# Altium PCB PCB1.PcbDoc (part 2 of 5) (continued)
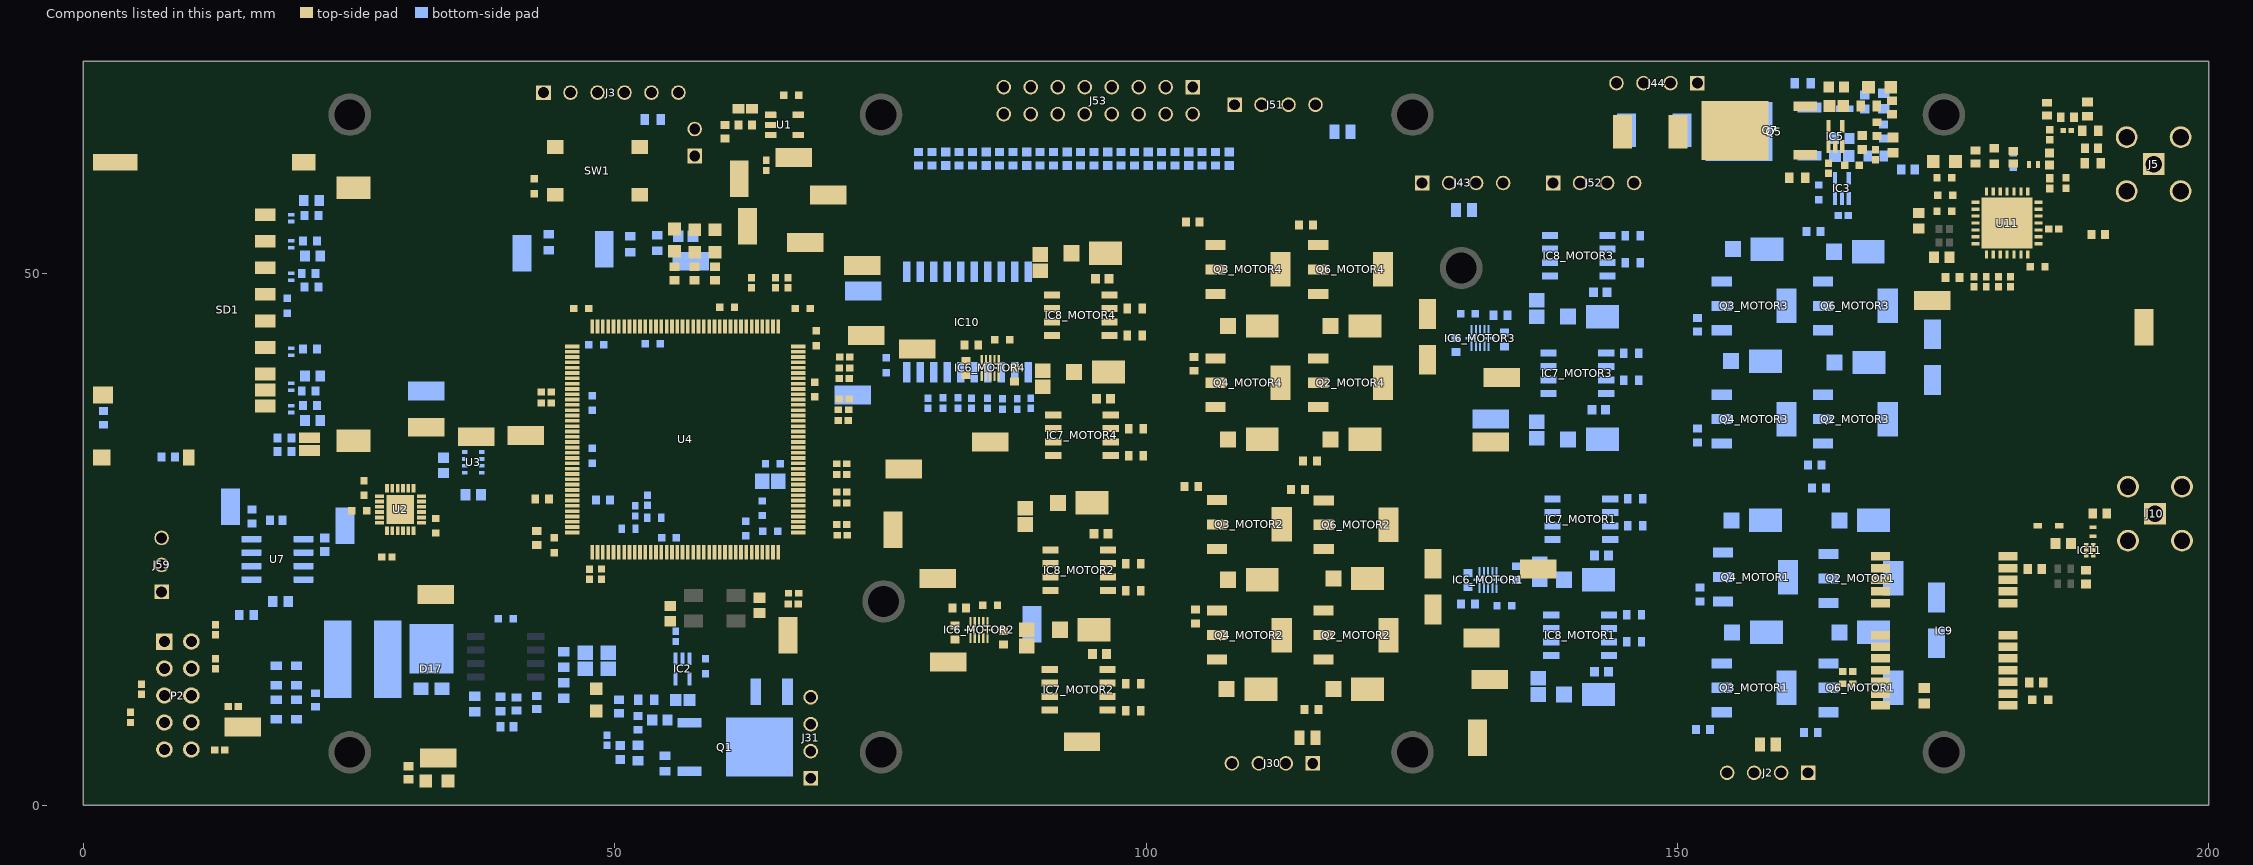
[diagram p6: the components of this part, seen from the top]
## Part data (continued)
J10: library part CMP-2000-05487-1, "SMA Right-Angle PCB Jack Receptacle, Brass Body, Gold Plated, 50 Ohm, 5-Pin THD, RoHS, Tray", Manufacturer=Molex, Package Description="5-Pin Through Hole Device, Body 14.8 x 6.35 mm, Pitch 2.54 mm", Datasheet URL=http://www.molex.com/webdocs/datasheets/pdf/en-us/0731000114_RF_COAX_CONNECTORS.pdf, Datasheet Version=09/2016, Manufacturer URL=http://www.molex.com/, Mounting Technology=ThroughHole, Package Reference=731000114, Package URL=http://www.molex.com/pdm_docs/sd/731000114_sd.pdf
L1: library part CMP-06042-014099-1, "Wire Wound RF Inductor 5.6nH ±0.2nH 800mA 0.051Ω 0402 (1005)", Case Code (Imperial)=0402, Case Code (Metric)=1005, Current Rating=800mA, DC Resistance (DCR)=51mR, Inductance=5.6nH, Max Operating Temperature=125°C, Min Operating Temperature=-55°C, Package Quantity=1, Resistor Type=Wirewound, Self Resonant Frequency=8GHz, Test Frequency=100MHz, Case/Package=0402, Core Material=Air, DC Current=800mA, Depth=0.7mm, Height=0.5mm, Lead Free="Lead Free", Length=1mm, Max DC Current=800mA, Military Standard=Not, Mount="Surface Mount", Number of Pins=2, Packaging="Tape and Reel", Q Factor=30, Radiation Hardening=No, REACH SVHC="No SVHC", Shielding=Unshielded, Termination=SMD/SMT, Weight=2.8E-05oz, Width=0.5mm
L2: library part SRR6038-3R3Y, "Inductor Power Shielded Wirewound 27uH 30% 100KHz 7.7Q-Factor Ferrite 1.2A 0.109Ohm DCR T/R", Case/Package=Nonstandard, Current Rating=1.2A, DC Resistance (DCR)=109mR, Frequency=12.5MHz, Inductance=27uH, Manufacturer=Bourns, Max Operating Temperature=125°C, Min Operating Temperature=-40°C, Package Quantity=1000, Resistance=109MR, Resistor Type=Wirewound, Saturation Current=1.3A, Supplier Part Number 1=652-SRR6038-270Y, Test Frequency=100kHz, Tolerance=30%, Category="Fixed Inductors", ComponentLink1Description=https://datasheet.ciiva.com/1056/srr6038-1056609.pdf?src-supplier=Digi-Key, ComponentLink1URL=https://datasheet.ciiva.com/1056/srr6038-1056609.pdf?src-supplier=Digi-Key, ComponentLink2Description=https://datasheet.ciiva.com/1056/srr6038-1056610.pdf?src-supplier=Digi-Key, ComponentLink2URL=https://datasheet.ciiva.com/1056/srr6038-1056610.pdf?src-supplier=Digi-Key, ComponentLink3Description=https://datasheet.ciiva.com/8513/srr6038-8513401.pdf?src-supplier=Avnet, ComponentLink3URL=https://datasheet.ciiva.com/8513/srr6038-8513401.pdf?src-supplier=Avnet, ComponentLink4Description=https://datasheet.ciiva.com/48684/srr6038-48684847.pdf?src-supplier=Avnet, ComponentLink4URL=https://datasheet.ciiva.com/48684/srr6038-48684847.pdf?src-supplier=Avnet, ComponentLink5Description=https://datasheet.ciiva.com/41452/001056692-da-01-en-mag-abge-l-ind-srr6038-270y-27uh-1-2a-41452091.pdf?src-supplier=Conrad, ComponentLink5URL=https://datasheet.ciiva.com/41452/001056692-da-01-en-mag-abge-l-ind-srr6038-270y-27uh-1-2a-41452091.pdf?src-supplier=Conrad, Core Material=Ferrite, DC Current=1.2A, Depth=7mm, Height=3.8mm, Height - Seated (Max)=0.157inch, Length=6.8mm, Manufacturer Part Number=SRR6038-270Y, Material=Steel, Max DC Current=1.2A, Military Standard=Not, Mount="Surface Mount", Packaging="Tape and Reel", Pricing 1="1=0,97000, 10=0,67700, 50=0,67700, 100=0,60700, 1000=0,38200, 10000=0,38200 (USD)", Q Factor=7.7, Radiation Hardening=No, RoHS=Yes, Self Resonant Frequency=12.5MHz, Shielding=Shielded, Stock 1=846, Supplier 1=Mouser, Termination=SMD/SMT, Width=6.8mm
L3: library part CMP-06042-007456-1, "Wire Wound RF Inductor 33nH ±5% 260mA 0.63Ω 0402 (1005)", Case Code (Imperial)=0402, Case Code (Metric)=1005, Current Rating=260mA, DC Resistance (DCR)=630mR, Inductance=33nH, Manufacturer=Murata, Max Operating Temperature=125°C, Min Operating Temperature=-55°C, Package Quantity=10000, Resistor Type=Wirewound, Self Resonant Frequency=3.2GHz, Supplier Part Number 1=81-LQW15AN33NJ00D, Test Frequency=100MHz, Tolerance=5%, Case/Package=0402, Category="Fixed Inductors", ComponentLink1Description=https://datasheet.ciiva.com/11799/0900766b8090d800-11799092.pdf?src-supplier=RSComponents, ComponentLink1URL=https://datasheet.ciiva.com/11799/0900766b8090d800-11799092.pdf?src-supplier=RSComponents, ComponentLink2Description=https://datasheet.ciiva.com/8510/l0075s0080lqw15a-00-8510437.pdf?src-supplier=Avnet, ComponentLink2URL=https://datasheet.ciiva.com/8510/l0075s0080lqw15a-00-8510437.pdf?src-supplier=Avnet, ComponentLink3Description=https://datasheet.ciiva.com/1042/l0075s0080lqw15a-00-1042187.pdf?src-supplier=Digi-Key, ComponentLink3URL=https://datasheet.ciiva.com/1042/l0075s0080lqw15a-00-1042187.pdf?src-supplier=Digi-Key, ComponentLink4Description=https://datasheet.ciiva.com/17278/l0075s0080lqw15a-00-17278475.pdf?src-supplier=Avnet+Europe, ComponentLink4URL=https://datasheet.ciiva.com/17278/l0075s0080lqw15a-00-17278475.pdf?src-supplier=Avnet+Europe, ComponentLink5Description=https://datasheet.ciiva.com/18089/getdatasheetpartid-153204-18089703.pdf?src-supplier=Verical, ComponentLink5URL=https://datasheet.ciiva.com/18089/getdatasheetpartid-153204-18089703.pdf?src-supplier=Verical, ComponentLink6Description=https://datasheet.ciiva.com/1042/l0075s0080lqw15a-00-1042186.pdf?src-supplier=Digi-Key, ComponentLink6URL=https://datasheet.ciiva.com/1042/l0075s0080lqw15a-00-1042186.pdf?src-supplier=Digi-Key, ComponentLink7Description=https://datasheet.ciiva.com/16455/l0075s0080lqw15a-00-16455914.pdf?src-supplier=Future+Electronics, ComponentLink7URL=https://datasheet.ciiva.com/16455/l0075s0080lqw15a-00-16455914.pdf?src-supplier=Future+Electronics, ComponentLink8Description=https://datasheet.ciiva.com/1042/l0075s0080lqw15a-00-1042188.pdf?src-supplier=Digi-Key, ComponentLink8URL=https://datasheet.ciiva.com/1042/l0075s0080lqw15a-00-1042188.pdf?src-supplier=Digi-Key, Core Material=Air, DC Current=260mA, Depth=0.6mm, Height=0.5mm, Lead Free="Lead Free", Length=1mm, Manufacturer Part Number=LQW15AN33NJ00D, Max DC Current=260mA, Military Standard=Not, Mount="Surface Mount", Packaging="Tape and Reel", Pricing 1="1=0,16000, 10=0,11300, 50=0,11300, 100=0,09100, 500=0,07900, 1000=0,06700, 2500=0,05700, 5000=0,05400, 10000=0,05000, 20000=0,04400 (USD)", Q Factor=25, Radiation Hardening=No, Rated Current-Max=260mA, RoHS=Yes, RoHS Compliant=Yes, Series=LQW15A_00, Shielding=Unshielded, Stock 1=27628, Supplier 1=Mouser, Termination=SMD/SMT, Weight=2.8E-05oz, Width=0.5mm
L4: library part CMP-06042-014117-1, "Multilayer type RF Inductor 10nH ±5% 0.26Ω 500mA 0402", Case Code (Imperial)=0402, Case Code (Metric)=1005, Current Rating=300mA, DC Resistance (DCR)=260mR, Inductance=10nH, Manufacturer=Murata, Max Operating Temperature=125°C, Min Operating Temperature=-55°C, Package Quantity=10000, Self Resonant Frequency=3.4GHz, Supplier Part Number 1=81-LQG15HS10NJ02D, Test Frequency=100MHz, Tolerance=5%, Case/Package=0402, Category="Fixed Inductors", ComponentLink1Description=https://datasheet.ciiva.com/11801/0900766b80f10809-11801401.pdf?src-supplier=RSComponents, ComponentLink1URL=https://datasheet.ciiva.com/11801/0900766b80f10809-11801401.pdf?src-supplier=RSComponents, ComponentLink2Description=https://datasheet.ciiva.com/1038/l0075s0083lqg15hs-1038118.pdf?src-supplier=Digi-Key, ComponentLink2URL=https://datasheet.ciiva.com/1038/l0075s0083lqg15hs-1038118.pdf?src-supplier=Digi-Key, ComponentLink3Description=https://datasheet.ciiva.com/1038/l0075s0083lqg15hs-1038119.pdf?src-supplier=Digi-Key, ComponentLink3URL=https://datasheet.ciiva.com/1038/l0075s0083lqg15hs-1038119.pdf?src-supplier=Digi-Key, ComponentLink4Description=https://datasheet.ciiva.com/17247/l0075s0083lqg15hs-17247110.pdf?src-supplier=Avnet+Europe, ComponentLink4URL=https://datasheet.ciiva.com/17247/l0075s0083lqg15hs-17247110.pdf?src-supplier=Avnet+Europe, ComponentLink5Description=https://datasheet.ciiva.com/1038/l0075s0083lqg15hs-1038120.pdf?src-supplier=Digi-Key, ComponentLink5URL=https://datasheet.ciiva.com/1038/l0075s0083lqg15hs-1038120.pdf?src-supplier=Digi-Key, ComponentLink6Description=https://datasheet.ciiva.com/8510/l0075s0083lqg15hs-8510813.pdf?src-supplier=Avnet, ComponentLink6URL=https://datasheet.ciiva.com/8510/l0075s0083lqg15hs-8510813.pdf?src-supplier=Avnet, Core Material=Air, DC Current=300mA, Depth=0.55mm, Height=0.5mm, Height - Seated (Max)=0.022inch, Lead Free="Lead Free", Length=0.039inch, Manufacturer Part Number=LQG15HS10NJ02D, Max DC Current=300mA, Military Standard=Not, Mount="Surface Mount", Packaging="Tape and Reel", Pricing 1="1=0,10000, 10=0,06100, 50=0,06100, 100=0,04000, 500=0,03400, 1000=0,02800, 2500=0,02300, 5000=0,02100, 10000=0,01900 (USD)", Q Factor=8, Radiation Hardening=No, Rated Current-Max=300mA, RoHS=Yes, RoHS Compliant=Yes, Series=LQG15HS, Shielding=Unshielded, Stock 1=97891, Supplier 1=Mouser, Termination=SMD/SMT, Width=0.5mm
L5: library part CMP-06042-008294-1, "Multilayer type RF Inductor 6.2nH ±0.3nH 0.2Ω 600mA 0402", Case Code (Imperial)=0402, Case Code (Metric)=1005, Current Rating=300mA, DC Resistance (DCR)=220mR, Inductance=6.2nH, Max Operating Temperature=125°C, Min Operating Temperature=-55°C, Package Quantity=10000, Self Resonant Frequency=4.5GHz, Test Frequency=100MHz, Case/Package=0402, Core Material=Air, DC Current=300mA, Depth=0.55mm, Height=0.5mm, Height - Seated (Max)=0.022inch, Lead Free="Lead Free", Length=1mm, Max DC Current=300mA, Military Standard=Not, Mount="Surface Mount", Packaging="Tape and Reel", Q Factor=8, Radiation Hardening=No, Shielding=Unshielded, Termination=SMD/SMT, Width=0.02inch
L6: library part CMP-06042-003922-1, "Multilayer type RF Inductor 6.8nH ±5% 0.22Ω 600mA 0402", Case Code (Imperial)=0402, Case Code (Metric)=1005, Current Rating=300mA, DC Resistance (DCR)=240mR, Inductance=6.8nH, Manufacturer=Murata, Max Operating Temperature=125°C, Min Operating Temperature=-55°C, Package Quantity=10000, Self Resonant Frequency=4.5GHz, Supplier Part Number 1=81-LQG15HS6N8J02D, Test Frequency=100MHz, Tolerance=5%, Case/Package=0402, Category="Fixed Inductors", ComponentLink1Description=https://datasheet.ciiva.com/27054/1864441-27054320.pdf?src-supplier=Jameco, ComponentLink1URL=https://datasheet.ciiva.com/27054/1864441-27054320.pdf?src-supplier=Jameco, ComponentLink2Description=https://datasheet.ciiva.com/11799/0900766b8090d685-11799166.pdf?src-supplier=RSComponents, ComponentLink2URL=https://datasheet.ciiva.com/11799/0900766b8090d685-11799166.pdf?src-supplier=RSComponents, ComponentLink3Description=https://datasheet.ciiva.com/1038/l0075s0083lqg15hs-1038130.pdf?src-supplier=Digi-Key, ComponentLink3URL=https://datasheet.ciiva.com/1038/l0075s0083lqg15hs-1038130.pdf?src-supplier=Digi-Key, ComponentLink4Description=https://datasheet.ciiva.com/1038/l0075s0083lqg15hs-1038131.pdf?src-supplier=Digi-Key, ComponentLink4URL=https://datasheet.ciiva.com/1038/l0075s0083lqg15hs-1038131.pdf?src-supplier=Digi-Key, ComponentLink5Description=https://datasheet.ciiva.com/1038/l0075s0083lqg15hs-1038132.pdf?src-supplier=Digi-Key, ComponentLink5URL=https://datasheet.ciiva.com/1038/l0075s0083lqg15hs-1038132.pdf?src-supplier=Digi-Key, ComponentLink6Description=https://datasheet.ciiva.com/8509/l0075s0083lqg15hs-8509734.pdf?src-supplier=Avnet, ComponentLink6URL=https://datasheet.ciiva.com/8509/l0075s0083lqg15hs-8509734.pdf?src-supplier=Avnet, ComponentLink7Description=https://datasheet.ciiva.com/18089/getdatasheetpartid-106265-18089254.pdf?src-supplier=Verical, ComponentLink7URL=https://datasheet.ciiva.com/18089/getdatasheetpartid-106265-18089254.pdf?src-supplier=Verical, ComponentLink8Description=https://datasheet.ciiva.com/17279/l0075s0083lqg15hs-17279273.pdf?src-supplier=Avnet+Europe, ComponentLink8URL=https://datasheet.ciiva.com/17279/l0075s0083lqg15hs-17279273.pdf?src-supplier=Avnet+Europe, ComponentLink9Description=https://datasheet.ciiva.com/4977/o05e-4977131.pdf?src-supplier=Mouser, ComponentLink9URL=https://datasheet.ciiva.com/4977/o05e-4977131.pdf?src-supplier=Mouser, ComponentLink10Description=https://datasheet.ciiva.com/16213/l0075s0083lqg15hs-16213710.pdf?src-supplier=Future+Electronics, ComponentLink10URL=https://datasheet.ciiva.com/16213/l0075s0083lqg15hs-16213710.pdf?src-supplier=Future+Electronics, Core Material=Air, DC Current=300mA, Depth=0.55mm, Height=0.5mm, Height - Seated (Max)=0.022inch, Lead Free="Lead Free", Length=1mm, Manufacturer Part Number=LQG15HS6N8J02D, Max DC Current=300mA, Military Standard=Not, Mount="Surface Mount", Packaging="Tape and Reel", Pricing 1="1=0,10000, 10=0,05100, 50=0,05100, 100=0,04100, 500=0,03400, 1000=0,02900, 2500=0,02500, 10000=0,02100 (USD)", Q Factor=8, Radiation Hardening=No, Rated Current-Max=300mA, RoHS=Yes, RoHS Compliant=Yes, Series=LQG15HS, Shielding=Unshielded, Stock 1=101137, Supplier 1=Mouser, Termination=SMD/SMT, Width=0.02inch
P2: library part CMP-1024-00362-1, "0.025\" SQ Post Header, Through-hole, Vertical, -55 to 125 degC, 2.54 mm Pitch, 10-Pin, Male, RoHS", Manufacturer=Samtec, Temperature Range="-55 to 125 degC", ComponentLink1Description="Manufacturer URL", ComponentLink1URL=http://www.samtec.com, ComponentLink2Description=Datasheet, ComponentLink2URL=http://www.samtec.com/documents/webfiles/pdf/TSW_TH.PDF, ComponentLink3Description="Package Specification", ComponentLink3URL=http://www.samtec.com/documents/webfiles/cpdf/TSW-XXX-XX-XXX-X-XX-XXX-MKT.pdf, DatasheetVersion=F-214, Mounting Technology=Through-hole, Orientation=Vertical, PackageDescription=".025[0.64] SQ. Post Terminal Strip Assembly", PackageReference=TSW-105-05-X-D, PackageVersion="DM, 8/1988", PartNumber=TSW-105-05-G-D, Pitch="2.54 mm", RoHS=True
Q1 Q5 Q7: library part CMP-1138-00157-1, "OptiMOS-P2 Power-Transistor, -40 V VDS, -85 A ID, PG-TO252-3-313, Reel, Green", Manufacturer=Infineon, PartNumber=IPD85P04P4-07, ComponentLink1Description="Manufacturer URL", ComponentLink1URL=http://www.infineon.com/, ComponentLink2Description=Datasheet, ComponentLink2URL=http://www.infineon.com/dgdl/IPD85P04P4-07_DS_10.pdf?folderId=db3a304412b407950112b42b75b74520&fileId=db3a30432f69f146012f782666e92ddd&location=en.Products.Automotive_ICs.Automotive_MOSFETs.Single__P-Channel_40V_MOSFETs.DATASHEET.IPD85P04P4-07_DS_10.pdf, ComponentLink3Description="Package Specification", ComponentLink3URL=http://www.infineon.com/dgdl/PG-TO252-3-313-Package_Overview.pdf?folderId=db3a30432b57a660012b81890ade72d2&fileId=db3a30432b57a660012b8193af2872eb, DatasheetVersion="Rev. 1.0", Green=TRUE, Halogen-free=TRUE, ID (max)="-85 A", IDpuls (max)="-340 A", Mounting Technology="Surface Mount", PackageDescription="3-Pin Plastic (Green) Transistor Single Outline Package, 6.5 x 6.12 mm Body, 2.28 mm Pitch", PackageReference=PG-TO252-3-313, PackageVersion=Oct-10, Packing=Reel, Ptot (max)="88 W", QG="69 nC", RDS (on) (max) (@10V)="7.3 mR", RthJC (max)="1.7 K/W", Technology=OptiMOS-P2, VDS (max)="-40 V", VGS(th) (max)="-4 V", VGS(th) (min)="-2 V"
Q2_MOTOR1 Q2_MOTOR2 Q2_MOTOR3 Q2_MOTOR4 Q3_MOTOR1 Q3_MOTOR2 Q3_MOTOR3 Q3_MOTOR4 Q4_MOTOR1 Q4_MOTOR2 Q4_MOTOR3 Q4_MOTOR4 Q6_MOTOR1 Q6_MOTOR2 Q6_MOTOR3 Q6_MOTOR4: library part IRLL2705TRPBF, "MOSFET (N-Channel)", Manufacturer_Name=Infineon, Mouser Part Number=942-IRLL2705TRPBF, Arrow Part Number=IRLL2705TRPBF, Arrow Price/Stock=https://www.arrow.com/en/products/irll2705trpbf/infineon-technologies-ag, Datasheet Link=https://ms.componentsearchengine.com/Datasheets/2/IRLL2705TRPBF.pdf, Height=1.8mm, Manufacturer_Part_Number=IRLL2705TRPBF, Mouser Price/Stock=https://www.mouser.co.uk/ProductDetail/Infineon-IR/IRLL2705TRPBF?qs=9%252BKlkBgLFf1DHv3vNo9CMA%3D%3D
R1: library part CMP-2000-00284-1, Case Code (Imperial)=0603, Case Code (Metric)=1608, Manufacturer=Panasonic, Max Operating Temperature=155°C, Max Power Dissipation=100mW, Min Operating Temperature=-55°C, Package Quantity=1, Resistance=169kR, Resistance Tolerance=1%, Resistor Type="Thick Film", Supplier Part Number 1=667-ERJ-3EKF1693V, Temperature Coefficient=100ppm/°C, Voltage Rating=75V, Voltage Rating (DC)=50V, Case/Package=0603, Category="Chip SMD Resistors", ComponentLink1Description=https://datasheet.ciiva.com/46389/426256-46389786.pdf?src-supplier=Element14, ComponentLink1URL=https://datasheet.ciiva.com/46389/426256-46389786.pdf?src-supplier=Element14, ComponentLink2Description=https://datasheet.ciiva.com/46377/426256-46377704.pdf?src-supplier=Element14, ComponentLink2URL=https://datasheet.ciiva.com/46377/426256-46377704.pdf?src-supplier=Element14, ComponentLink3Description=https://datasheet.ciiva.com/28594/1678782-28594239.pdf?src-supplier=Element14, ComponentLink3URL=https://datasheet.ciiva.com/28594/1678782-28594239.pdf?src-supplier=Element14, ComponentLink4Description=https://datasheet.ciiva.com/28692/1678782-28692249.pdf?src-supplier=Element14, ComponentLink4URL=https://datasheet.ciiva.com/28692/1678782-28692249.pdf?src-supplier=Element14, ComponentLink5Description=https://datasheet.ciiva.com/24023/aoa0000ce2-24023871.pdf?src-supplier=Mouser, ComponentLink5URL=https://datasheet.ciiva.com/24023/aoa0000ce2-24023871.pdf?src-supplier=Mouser, ComponentLink6Description=https://datasheet.ciiva.com/9185/aoa0000ce2-9185127.pdf?src-supplier=Avnet, ComponentLink6URL=https://datasheet.ciiva.com/9185/aoa0000ce2-9185127.pdf?src-supplier=Avnet, ComponentLink7Description=https://datasheet.ciiva.com/30076/aoa0000ce2-30076535.pdf?src-supplier=Onlinecomponents.com, ComponentLink7URL=https://datasheet.ciiva.com/30076/aoa0000ce2-30076535.pdf?src-supplier=Onlinecomponents.com, Construction=Rectangular, Contact Plating=Tin, Depth=0.8mm, Features="Automotive AEC-Q200", Height=0.022inch, Lead Free="Lead Free", Length=1.6mm, Manufacturer Part Number=ERJ-3EKF1693V, Military Standard=Not, Mount="Surface Mount", Number of Terminations=2, Packaging="Tape and Reel", Part Number=ERJ-3EKF1693V, Power Rating=100mW, Pricing 1="1=0,10000, 10=0,04200, 50=0,04200, 100=0,01700, 1000=0,00800, 10000=0,00400 (USD)", Radiation Hardening=No, REACH SVHC="No SVHC", RoHS=Yes, RoHS Compliant=Yes, Series=ERJ, Stock 1=1114, Supplier 1=Mouser, Termination=SMD/SMT, Tolerance=1%, Width=0.031inch
R2 R90 R92: library part CMP-2000-03799-1, Case Code (Imperial)=0603, Case Code (Metric)=1608, Manufacturer="Vishay Dale", Max Operating Temperature=170°C, Max Power Dissipation=100mW, Min Operating Temperature=-65°C, Package Quantity=1, Resistance=10mR, Resistor Type="Metal Element,Metal Strip", Supplier Part Number 1=71-WSL0603R0100FEA, Temperature Coefficient=75ppm/°C, Tolerance=1%, Case/Package=0603, Category="Chip SMD Resistors", ComponentLink1Description=https://datasheet.ciiva.com/7791/1598296-7791987.pdf?src-supplier=Element14, ComponentLink1URL=https://datasheet.ciiva.com/7791/1598296-7791987.pdf?src-supplier=Element14, ComponentLink2Description=https://datasheet.ciiva.com/2482/wsl-2482914.pdf?src-supplier=Digi-Key, ComponentLink2URL=https://datasheet.ciiva.com/2482/wsl-2482914.pdf?src-supplier=Digi-Key, ComponentLink3Description=https://datasheet.ciiva.com/2482/wsl-2482915.pdf?src-supplier=Digi-Key, ComponentLink3URL=https://datasheet.ciiva.com/2482/wsl-2482915.pdf?src-supplier=Digi-Key, ComponentLink4Description=https://datasheet.ciiva.com/2482/wsl-2482916.pdf?src-supplier=Digi-Key, ComponentLink4URL=https://datasheet.ciiva.com/2482/wsl-2482916.pdf?src-supplier=Digi-Key, ComponentLink5Description=https://datasheet.ciiva.com/9049/wsl-9049413.pdf?src-supplier=Avnet, ComponentLink5URL=https://datasheet.ciiva.com/9049/wsl-9049413.pdf?src-supplier=Avnet, ComponentLink6Description=https://datasheet.ciiva.com/5469/wsl-101914-5469241.pdf?src-supplier=Mouser, ComponentLink6URL=https://datasheet.ciiva.com/5469/wsl-101914-5469241.pdf?src-supplier=Mouser, ComponentLink7Description=https://datasheet.ciiva.com/17189/wsl-17189978.pdf?src-supplier=Avnet+Europe, ComponentLink7URL=https://datasheet.ciiva.com/17189/wsl-17189978.pdf?src-supplier=Avnet+Europe, ComponentLink8Description=https://datasheet.ciiva.com/28621/1911169-28621724.pdf?src-supplier=Element14, ComponentLink8URL=https://datasheet.ciiva.com/28621/1911169-28621724.pdf?src-supplier=Element14, ComponentLink9Description=https://datasheet.ciiva.com/16510/wsl-16510141.pdf?src-supplier=Future+Electronics, ComponentLink9URL=https://datasheet.ciiva.com/16510/wsl-16510141.pdf?src-supplier=Future+Electronics, ComponentLink10Description=https://datasheet.ciiva.com/28621/1911169-28621725.pdf?src-supplier=Element14, ComponentLink10URL=https://datasheet.ciiva.com/28621/1911169-28621725.pdf?src-supplier=Element14, ComponentLink11Description=https://datasheet.ciiva.com/16755/70205438-16755071.pdf?src-supplier=Allied+Electronics, ComponentLink11URL=https://datasheet.ciiva.com/16755/70205438-16755071.pdf?src-supplier=Allied+Electronics, Contact Plating=Tin,Matte, Depth=0.76mm, Features="Moisture Resistant", Height=0.33mm, Lead Free="Lead Free", Length=0.06inch, Manufacturer Part Number=WSL0603R0100FEA, Number of Pins=2, Number of Terminations=2, Packaging="Tape and Reel", Part Number=WSL0603R0100FEA, Power Rating=100mW, Pricing 1="1=1,03000, 10=0,76500, 50=0,76500, 100=0,47100, 1000=0,39000, 5000=0,37200, 10000=0,37200 (USD)", Radiation Hardening=No, REACH SVHC=Unknown, RoHS=No, Stock 1=418, Supplier 1=Mouser, Termination=SMD/SMT, Weight=7.1E-05oz, Width=0.03inch
R3: library part CMP-1012-00624-2, Case Code (Imperial)=0603, Case Code (Metric)=1608, Manufacturer=Panasonic, Max Operating Temperature=155°C, Max Power Dissipation=100mW, Min Operating Temperature=-55°C, Package Quantity=1, Resistance=10.2kR, Resistance Tolerance=1%, Resistor Type="Thick Film", Supplier Part Number 1=667-ERJ-3EKF1022V, Temperature Coefficient=100ppm/°C, Voltage Rating=75V, Voltage Rating (DC)=50V, Case/Package=0603, Category="Chip SMD Resistors", ComponentLink1Description=https://datasheet.ciiva.com/34303/1987492-34303567.pdf?src-supplier=Jameco, ComponentLink1URL=https://datasheet.ciiva.com/34303/1987492-34303567.pdf?src-supplier=Jameco, ComponentLink2Description=https://datasheet.ciiva.com/28531/1678782-28531526.pdf?src-supplier=Element14, ComponentLink2URL=https://datasheet.ciiva.com/28531/1678782-28531526.pdf?src-supplier=Element14, ComponentLink3Description=https://datasheet.ciiva.com/30119/aoa0000ce2-30119176.pdf?src-supplier=Onlinecomponents.com, ComponentLink3URL=https://datasheet.ciiva.com/30119/aoa0000ce2-30119176.pdf?src-supplier=Onlinecomponents.com, ComponentLink4Description=https://datasheet.ciiva.com/9194/aoa0000ce2-9194057.pdf?src-supplier=Avnet, ComponentLink4URL=https://datasheet.ciiva.com/9194/aoa0000ce2-9194057.pdf?src-supplier=Avnet, ComponentLink5Description=https://datasheet.ciiva.com/16777/70260748-16777515.pdf?src-supplier=Allied+Electronics, ComponentLink5URL=https://datasheet.ciiva.com/16777/70260748-16777515.pdf?src-supplier=Allied+Electronics, ComponentLink6Description=https://datasheet.ciiva.com/46377/426256-46377339.pdf?src-supplier=Element14, ComponentLink6URL=https://datasheet.ciiva.com/46377/426256-46377339.pdf?src-supplier=Element14, ComponentLink7Description=https://datasheet.ciiva.com/16511/aoa0000ce2-16511868.pdf?src-supplier=Avnet+Asia, ComponentLink7URL=https://datasheet.ciiva.com/16511/aoa0000ce2-16511868.pdf?src-supplier=Avnet+Asia, ComponentLink8Description=https://datasheet.ciiva.com/43460/426256-43460540.pdf?src-supplier=Farnell, ComponentLink8URL=https://datasheet.ciiva.com/43460/426256-43460540.pdf?src-supplier=Farnell, ComponentLink9Description=https://datasheet.ciiva.com/28658/1678782-28658333.pdf?src-supplier=Element14, ComponentLink9URL=https://datasheet.ciiva.com/28658/1678782-28658333.pdf?src-supplier=Element14, ComponentLink10Description=https://datasheet.ciiva.com/24069/aoa0000ce2-24069678.pdf?src-supplier=Mouser, ComponentLink10URL=https://datasheet.ciiva.com/24069/aoa0000ce2-24069678.pdf?src-supplier=Mouser, Construction=Rectangular, Contact Plating=Tin, Depth=0.8mm, Features="Automotive AEC-Q200", Height=0.45mm, Lead Free="Lead Free", Length=1.6mm, Manufacturer Part Number=ERJ-3EKF1022V, Military Standard=Not, Mount="Surface Mount", Number of Terminations=2, Packaging="Tape and Reel", Part Number=ERJ-3EKF1022V, Power Rating=100mW, Pricing 1="1=0,10000, 10=0,04200, 50=0,04200, 100=0,01700, 1000=0,00800, 2500=0,00700, 5000=0,00500, 10000=0,00400 (USD)", Radiation Hardening=No, REACH SVHC="No SVHC", RoHS=Yes, RoHS Compliant=Yes, Series=ERJ, Stock 1=583321, Supplier 1=Mouser, Technology="THICK FILM", Termination=SMD/SMT, Tolerance=1%, Width=0.031inch
R4: library part CMP-2000-00618-1, Case Code (Imperial)=0603, Case Code (Metric)=1608, Manufacturer=Panasonic, Max Operating Temperature=155°C, Max Power Dissipation=100mW, Min Operating Temperature=-55°C, Package Quantity=1, Resistance=68.1kR, Resistance Tolerance=1%, Resistor Type="Thick Film", Temperature Coefficient=100ppm/°C, Voltage Rating=75V, Voltage Rating (DC)=50V, Case/Package=0603, Category="Chip SMD Resistors", ComponentLink1Description=https://datasheet.ciiva.com/34303/1988348-34303604.pdf?src-supplier=Jameco, ComponentLink1URL=https://datasheet.ciiva.com/34303/1988348-34303604.pdf?src-supplier=Jameco, ComponentLink2Description=https://datasheet.ciiva.com/28692/1678782-28692517.pdf?src-supplier=Element14, ComponentLink2URL=https://datasheet.ciiva.com/28692/1678782-28692517.pdf?src-supplier=Element14, ComponentLink3Description=https://datasheet.ciiva.com/9117/aoa0000ce2-9117129.pdf?src-supplier=Avnet, ComponentLink3URL=https://datasheet.ciiva.com/9117/aoa0000ce2-9117129.pdf?src-supplier=Avnet, ComponentLink4Description=https://datasheet.ciiva.com/16514/aoa0000ce2-16514154.pdf?src-supplier=Avnet+Asia, ComponentLink4URL=https://datasheet.ciiva.com/16514/aoa0000ce2-16514154.pdf?src-supplier=Avnet+Asia, ComponentLink5Description=https://datasheet.ciiva.com/16763/70260748-16763546.pdf?src-supplier=Allied+Electronics, ComponentLink5URL=https://datasheet.ciiva.com/16763/70260748-16763546.pdf?src-supplier=Allied+Electronics, ComponentLink6Description=https://datasheet.ciiva.com/46389/426256-46389259.pdf?src-supplier=Element14, ComponentLink6URL=https://datasheet.ciiva.com/46389/426256-46389259.pdf?src-supplier=Element14, ComponentLink7Description=https://datasheet.ciiva.com/28611/1678782-28611005.pdf?src-supplier=Element14, ComponentLink7URL=https://datasheet.ciiva.com/28611/1678782-28611005.pdf?src-supplier=Element14, ComponentLink8Description=https://datasheet.ciiva.com/30244/aoa0000ce2-30244301.pdf?src-supplier=Onlinecomponents.com, ComponentLink8URL=https://datasheet.ciiva.com/30244/aoa0000ce2-30244301.pdf?src-supplier=Onlinecomponents.com, Construction=Rectangular, Contact Plating=Tin, Depth=0.8mm, Features="Automotive AEC-Q200", Height=0.45mm, Lead Free="Lead Free", Length=1.6mm, Manufacturer Part Number=ERJ-3EKF6812V, Military Standard=Not, Mount="Surface Mount", Number of Terminations=2, Packaging="Tape and Reel", Part Number=ERJ-3EKF6812V, Power Rating=100mW, Pricing 1="5000=0,00560, 10000=0,00460 (USD)", Radiation Hardening=No, REACH SVHC="No SVHC", RoHS=Yes, RoHS Compliant=Yes, Series=ERJ, Stock 1=30000, Supplier 1="Arrow Electronics", Supplier Part Number 1=ERJ-3EKF6812V, Technology="THICK FILM", Termination=SMD/SMT, Tolerance=1%, Weight=7.1E-05oz, Width=0.8mm
R5 R96 R97: library part CMP-2100-03667-1, "Chip Resistor, 0 Ohm, +/- 5%, 0.1 W, -55 to 155 degC, 0603 (1608 Metric), RoHS, Tape and Reel", Case Code (Imperial)=0603, Case Code (Metric)=1608, Manufacturer=Yageo, Max Operating Temperature=155degC, Max Power Dissipation=100mW, Min Operating Temperature=-55degC, Package Description="2-Pin Surface Mount Device, Body 1.6 x 0.8 mm", Package Quantity=5000, Resistance=0R, Resistance Tolerance=5%, Resistor Type="Thick Film", Supplier Part Number 1=603-RC0603JR-070RL, Temperature Coefficient=200ppm/degreesC, Voltage Rating=50V, Case/Package=0603, Category="Chip SMD Resistors", ComponentLink1Description=https://datasheet.ciiva.com/11808/pyu-r-int-6-11808700.pdf?src-supplier=RSComponents, ComponentLink1URL=https://datasheet.ciiva.com/11808/pyu-r-int-6-11808700.pdf?src-supplier=RSComponents, ComponentLink2Description=https://datasheet.ciiva.com/22747/443971-22747530.pdf?src-supplier=Element14, ComponentLink2URL=https://datasheet.ciiva.com/22747/443971-22747530.pdf?src-supplier=Element14, ComponentLink3Description=https://datasheet.ciiva.com/12555/rc0603-272842-12555254.pdf?src-supplier=Mouser, ComponentLink3URL=https://datasheet.ciiva.com/12555/rc0603-272842-12555254.pdf?src-supplier=Mouser, ComponentLink4Description=https://datasheet.ciiva.com/7746/1738695-7746421.pdf?src-supplier=Element14, ComponentLink4URL=https://datasheet.ciiva.com/7746/1738695-7746421.pdf?src-supplier=Element14, ComponentLink5Description=https://datasheet.ciiva.com/7746/1738695-7746422.pdf?src-supplier=Element14, ComponentLink5URL=https://datasheet.ciiva.com/7746/1738695-7746422.pdf?src-supplier=Element14, ComponentLink6Description=https://datasheet.ciiva.com/8883/pyu-rc0603-51-rohs-l-4-8883045.pdf?src-supplier=Avnet, ComponentLink6URL=https://datasheet.ciiva.com/8883/pyu-rc0603-51-rohs-l-4-8883045.pdf?src-supplier=Avnet, ComponentLink7Description=https://datasheet.ciiva.com/15189/getdatasheetpartid-329462-15189845.pdf?src-supplier=Verical, ComponentLink7URL=https://datasheet.ciiva.com/15189/getdatasheetpartid-329462-15189845.pdf?src-supplier=Verical, Composition=ThickFilm, Construction=Rectangular, Contact Plating=Tin, Datasheet URL=http://www.yageo.com/NewPortal/yageodocoutput?fileName=/pdf/R-Chip/PYu-RC_Group_51_RoHS_L_5.pdf, Datasheet Version="Rev. 5, 10/2016", Depth=0.8mm, Features="Moisture Resistant", Height=0.45mm, Lead Free=LeadFree, Length=1.6mm, Manufacturer Part Number=RC0603JR-070RL, Manufacturer URL=http://www.yageo.com/, Military Standard=Not, Number of Pins=2, Number of Terminations=2, Package Reference=0603, Packaging=TapeandReel, Power Rating=100mW, Pricing 1="1=0,10000, 10=0,01000, 50=0,01000, 100=0,00500, 1000=0,00400, 5000=0,00200, 10000=0,00200 (USD)", Radiation Hardening=No, REACH SVHC=NoSVHC, RoHS=Yes, RoHS Compliant=Yes, RoHSCompliant=true, Series=RC, Size Code=0603, Stock 1=968392, Supplier 1=Mouser, Technology="THICK FILM", Termination=SMD/SMT, Tolerance=5%, Voltage Rating (DC)=50V, Width=0.8mm
R6: library part CMP-2000-00300-1, Case Code (Imperial)=0603, Case Code (Metric)=1608, Manufacturer=Panasonic, Manufacturer Part Number=ERJ3EKF1822V, Max Operating Temperature=155°C, Max Power Dissipation=100mW, Min Operating Temperature=-55°C, Package Quantity=5000, Resistance=18.2kR, Resistance Tolerance=1%, Resistor Type="Thick Film", Supplier Part Number 1=667-ERJ-3EKF1822V, Temperature Coefficient=100ppm/°C, Voltage Rating=75V, Voltage Rating (DC)=50V, Case/Package=0603, Category="Chip SMD Resistors", ComponentLink1Description=https://datasheet.ciiva.com/46389/426256-46389405.pdf?src-supplier=Element14, ComponentLink1URL=https://datasheet.ciiva.com/46389/426256-46389405.pdf?src-supplier=Element14, ComponentLink2Description=https://datasheet.ciiva.com/24069/aoa0000ce2-24069017.pdf?src-supplier=Mouser, ComponentLink2URL=https://datasheet.ciiva.com/24069/aoa0000ce2-24069017.pdf?src-supplier=Mouser, ComponentLink3Description=https://datasheet.ciiva.com/16781/70260748-16781560.pdf?src-supplier=Allied+Electronics, ComponentLink3URL=https://datasheet.ciiva.com/16781/70260748-16781560.pdf?src-supplier=Allied+Electronics, ComponentLink4Description=https://datasheet.ciiva.com/16785/70260748-16785958.pdf?src-supplier=Allied+Electronics, ComponentLink4URL=https://datasheet.ciiva.com/16785/70260748-16785958.pdf?src-supplier=Allied+Electronics, ComponentLink5Description=https://datasheet.ciiva.com/9192/aoa0000ce2-9192376.pdf?src-supplier=Avnet, ComponentLink5URL=https://datasheet.ciiva.com/9192/aoa0000ce2-9192376.pdf?src-supplier=Avnet, ComponentLink6Description=https://datasheet.ciiva.com/16440/aoa0000ce1-16440201.pdf?src-supplier=Future+Electronics, ComponentLink6URL=https://datasheet.ciiva.com/16440/aoa0000ce1-16440201.pdf?src-supplier=Future+Electronics, ComponentLink7Description=https://datasheet.ciiva.com/48531/aoa0000ce2-48531054.pdf?src-supplier=Avnet, ComponentLink7URL=https://datasheet.ciiva.com/48531/aoa0000ce2-48531054.pdf?src-supplier=Avnet, ComponentLink8Description=https://datasheet.ciiva.com/30212/aoa0000ce2-30212159.pdf?src-supplier=Onlinecomponents.com, ComponentLink8URL=https://datasheet.ciiva.com/30212/aoa0000ce2-30212159.pdf?src-supplier=Onlinecomponents.com, Construction=Rectangular, Contact Plating=Tin, Depth=0.8mm, Features="Automotive AEC-Q200", Height=0.022inch, Lead Free="Lead Free", Length=1.6mm, Military Standard=Not, Mount="Surface Mount", Number of Terminations=2, Packaging="Tape and Reel", Part Number=ERJ-3EKF1822V, Power Rating=100mW, Pricing 1="1=0,10000, 10=0,04200, 50=0,04200, 100=0,01700, 1000=0,00800, 2500=0,00700, 5000=0,00500, 10000=0,00400 (USD)", Radiation Hardening=No, REACH SVHC=Unknown, RoHS=Yes, RoHS Compliant=Yes, Series=ERJ, Size Code=0603, Stock 1=71432, Supplier 1=Mouser, Termination=SMD/SMT, Tolerance=1%, Width=0.031inch
R7: library part CMP-2000-00432-1, Case Code (Imperial)=0603, Case Code (Metric)=1608, Manufacturer=Panasonic, Max Operating Temperature=155°C, Max Power Dissipation=100mW, Min Operating Temperature=-55°C, Package Quantity=1, Resistance=3.24kR, Resistance Tolerance=1%, Resistor Type="Thick Film", Supplier Part Number 1=667-ERJ-3EKF3241V, Temperature Coefficient=100ppm/°C, Voltage Rating=75V, Voltage Rating (DC)=50V, Case/Package=0603, Category="Chip SMD Resistors", ComponentLink1Description=https://datasheet.ciiva.com/46389/426256-46389034.pdf?src-supplier=Element14, ComponentLink1URL=https://datasheet.ciiva.com/46389/426256-46389034.pdf?src-supplier=Element14, ComponentLink2Description=https://datasheet.ciiva.com/5974/426256-5974521.pdf?src-supplier=Farnell, ComponentLink2URL=https://datasheet.ciiva.com/5974/426256-5974521.pdf?src-supplier=Farnell, ComponentLink3Description=https://datasheet.ciiva.com/28692/1678782-28692509.pdf?src-supplier=Element14, ComponentLink3URL=https://datasheet.ciiva.com/28692/1678782-28692509.pdf?src-supplier=Element14, ComponentLink4Description=https://datasheet.ciiva.com/24068/aoa0000ce2-24068846.pdf?src-supplier=Mouser, ComponentLink4URL=https://datasheet.ciiva.com/24068/aoa0000ce2-24068846.pdf?src-supplier=Mouser, ComponentLink5Description=https://datasheet.ciiva.com/16769/70260748-16769274.pdf?src-supplier=Allied+Electronics, ComponentLink5URL=https://datasheet.ciiva.com/16769/70260748-16769274.pdf?src-supplier=Allied+Electronics, Construction=Rectangular, Contact Plating=Tin, Depth=0.8mm, Features="Automotive AEC-Q200", Height=0.022inch, Lead Free="Lead Free", Length=1.6mm, Manufacturer Part Number=ERJ-3EKF3241V, Military Standard=Not, Mount="Surface Mount", Number of Terminations=2, Packaging="Tape and Reel", Part Number=ERJ-3EKF3241V, Power Rating=100mW, Pricing 1="1=0,10000, 10=0,04200, 50=0,04200, 100=0,01700, 1000=0,00800, 2500=0,00700, 5000=0,00500, 10000=0,00400 (USD)", Radiation Hardening=No, REACH SVHC="No SVHC", RoHS=Yes, RoHS Compliant=Yes, Series=ERJ, Stock 1=45418, Supplier 1=Mouser, Termination=SMD/SMT, Tolerance=1%, Width=0.031inch
R8 R10 R11 R19 R22 R26 R28 R33 R34 R35 R36 R37 R38 R39 R40 R43 R44 R45 R46 R47 R53 R54 R55 R56 R57 R58 R59 R61 R62 R63 R69 R70 R71 R72 R73 R74 R76 R77 R78 R79 R80 R81 R83 R84 R85 R118 R124 R125 R126 R127 R128 R129: library part CMP-2002-03041-1, Case Code (Imperial)=0402, Case Code (Metric)=1005, Manufacturer="Vishay Dale", Max Operating Temperature=155°C, Max Power Dissipation=125mW, Min Operating Temperature=-55°C, Package Quantity=1, Power Rating=200mW, Resistance=0R, Resistor Type="Thick Film", Supplier Part Number 1=71-CRCW04020000Z0EDH, Temperature Coefficient=0ppm/°C, Voltage Rating=50V, Case/Package=0402, Category="Chip SMD Resistors", ComponentLink1Description=https://datasheet.ciiva.com/16494/crcwhpe3-16494453.pdf?src-supplier=Future+Electronics, ComponentLink1URL=https://datasheet.ciiva.com/16494/crcwhpe3-16494453.pdf?src-supplier=Future+Electronics, ComponentLink2Description=https://datasheet.ciiva.com/2470/crcwhpe3-2470555.pdf?src-supplier=Digi-Key, ComponentLink2URL=https://datasheet.ciiva.com/2470/crcwhpe3-2470555.pdf?src-supplier=Digi-Key, ComponentLink3Description=https://datasheet.ciiva.com/5562/crcwhpe3-46056-5562315.pdf?src-supplier=Mouser, ComponentLink3URL=https://datasheet.ciiva.com/5562/crcwhpe3-46056-5562315.pdf?src-supplier=Mouser, ComponentLink4Description=https://datasheet.ciiva.com/9109/crcwhpe3-9109963.pdf?src-supplier=Avnet, ComponentLink4URL=https://datasheet.ciiva.com/9109/crcwhpe3-9109963.pdf?src-supplier=Avnet, ComponentLink5Description=https://datasheet.ciiva.com/2470/crcwhpe3-2470556.pdf?src-supplier=Digi-Key, ComponentLink5URL=https://datasheet.ciiva.com/2470/crcwhpe3-2470556.pdf?src-supplier=Digi-Key, ComponentLink6Description=https://datasheet.ciiva.com/28621/1912814-28621324.pdf?src-supplier=Element14, ComponentLink6URL=https://datasheet.ciiva.com/28621/1912814-28621324.pdf?src-supplier=Element14, ComponentLink7Description=https://datasheet.ciiva.com/2470/crcwhpe3-2470557.pdf?src-supplier=Digi-Key, ComponentLink7URL=https://datasheet.ciiva.com/2470/crcwhpe3-2470557.pdf?src-supplier=Digi-Key, ComponentLink8Description=https://datasheet.ciiva.com/7725/crcwhpe3-7725758.pdf?src-supplier=Element14, ComponentLink8URL=https://datasheet.ciiva.com/7725/crcwhpe3-7725758.pdf?src-supplier=Element14, Construction=Rectangular, Contact Plating=Tin, Depth=0.5mm, Features="Automotive AEC-Q200", Height=0.3mm, Lead Free="Lead Free", Length=1mm, Manufacturer Part Number=CRCW04020000Z0EDHP, Military Standard=Not, Mount="Surface Mount", Number of Terminations=2, Packaging="Tape and Reel", Part Number=CRCW04020000Z0EDHP, Pricing 1="1=0,13000, 10=0,08600, 50=0,08600, 100=0,04000, 1000=0,01800, 10000=0,01200 (USD)", Radiation Hardening=No, REACH SVHC=Unknown, RoHS=Yes, RoHS Compliant=Yes, Series=CRCW-HP, Size Code=0402, Stock 1=2010, Supplier 1=Mouser, Technology="THICK FILM", Termination=SMD/SMT, Voltage Rating (DC)=50V, Weight=2.3E-05oz, Width=0.02inch
R9 R20 R21 R23: library part CMP-2000-03816-5, Manufacturer="Vishay Semiconductor", Max Operating Temperature="155 degC", Min Operating Temperature="-55 degC", Package Quantity=5000, Voltage Rating="75 V", ComponentLink1Description="Manufacturer URL", ComponentLink1URL=http://www.vishay.com/, ComponentLink2Description=Datasheet, ComponentLink2URL=http://www.vishay.com/docs/20035/dcrcwe3.pdf, DatasheetVersion=06/2012, Height="0.45 mm", Length="1.55 mm", Mount="Surface Mount", Mounting Technology="Surface Mount", PackageDescription="2-Pin Surface Mount Device, Body 1.575 x 0.85 mm", PackageReference=0603, Packaging="Tape and Reel", Pins=2, REACH SVHC=Unknown, RoHSCompliant=true
R12 R13 R14 R15 R16 R17 R18 R24_MOTOR1 R24_MOTOR2 R24_MOTOR3 R24_MOTOR4 R25_MOTOR1 R25_MOTOR2 R25_MOTOR3 R25_MOTOR4 R27_MOTOR1 R27_MOTOR2 R27_MOTOR3 R27_MOTOR4 R29_MOTOR1 R29_MOTOR2 R29_MOTOR3 R29_MOTOR4 R31 R32 R87 R94 R95 R106 R107 R108_MOTOR1 R108_MOTOR2 R108_MOTOR3 R108_MOTOR4 R111_MOTOR1 R111_MOTOR2 R111_MOTOR3 R111_MOTOR4 R112_MOTOR1 R112_MOTOR2 R112_MOTOR3 R112_MOTOR4 R115 R147 R148 R149 R150 R151 R152 R153 R154 R155 R156 R157 R158 R159 R160 R161 R162 R167: library part CMP-1012-00623-3, "Chip Resistor, 10 KOhm, +/- 1%, 0.1 W, -55 to 155 degC, 0603 (1608 Metric), RoHS, Tape and Reel", Case Code (Imperial)=0603, Case Code (Metric)=1608, Manufacturer=Panasonic, Manufacturer Part Number=ERJ-3EKF1002V, Max Operating Temperature=155degC, Max Power Dissipation=100mW, Min Operating Temperature=-55degC, Package Description="2-Pin Surface Mount Device, Body 1.6 x 0.85 mm", Package Quantity=1, Package Reference=603, Resistance=10kR, Resistance Tolerance=1%, Resistor Type="Thick Film", Supplier Part Number 1=667-ERJ-3EKF1002V, Temperature Coefficient=100ppm\/degreesC, Voltage Rating=75V, Case/Package=0603, Case\/Package=0603, Category="Chip SMD Resistors", ComponentLink1Description=https://datasheet.ciiva.com/16511/aoa0000ce2-16511861.pdf?src-supplier=Avnet+Asia, ComponentLink1URL=https://datasheet.ciiva.com/16511/aoa0000ce2-16511861.pdf?src-supplier=Avnet+Asia, ComponentLink2Description=https://datasheet.ciiva.com/46372/1678782-46372725.pdf?src-supplier=Element14, ComponentLink2URL=https://datasheet.ciiva.com/46372/1678782-46372725.pdf?src-supplier=Element14, ComponentLink3Description=https://datasheet.ciiva.com/28514/426256-28514198.pdf?src-supplier=Element14, ComponentLink3URL=https://datasheet.ciiva.com/28514/426256-28514198.pdf?src-supplier=Element14, ComponentLink4Description=https://datasheet.ciiva.com/9194/aoa0000ce2-9194199.pdf?src-supplier=Avnet, ComponentLink4URL=https://datasheet.ciiva.com/9194/aoa0000ce2-9194199.pdf?src-supplier=Avnet, ComponentLink5Description=https://datasheet.ciiva.com/7830/aoa0000ce2-7830729.pdf?src-supplier=Element14, ComponentLink5URL=https://datasheet.ciiva.com/7830/aoa0000ce2-7830729.pdf?src-supplier=Element14, ComponentLink6Description=https://datasheet.ciiva.com/17212/aoa0000ce2-17212105.pdf?src-supplier=Avnet+Europe, ComponentLink6URL=https://datasheet.ciiva.com/17212/aoa0000ce2-17212105.pdf?src-supplier=Avnet+Europe, ComponentLink7Description=https://datasheet.ciiva.com/30208/aoa0000ce2-30208985.pdf?src-supplier=Onlinecomponents.com, ComponentLink7URL=https://datasheet.ciiva.com/30208/aoa0000ce2-30208985.pdf?src-supplier=Onlinecomponents.com, ComponentLink8Description=https://datasheet.ciiva.com/48530/aoa0000ce2-48530988.pdf?src-supplier=Avnet, ComponentLink8URL=https://datasheet.ciiva.com/48530/aoa0000ce2-48530988.pdf?src-supplier=Avnet, ComponentLink9Description=https://datasheet.ciiva.com/24070/aoa0000ce2-24070318.pdf?src-supplier=Mouser, ComponentLink9URL=https://datasheet.ciiva.com/24070/aoa0000ce2-24070318.pdf?src-supplier=Mouser, ComponentLink10Description=https://datasheet.ciiva.com/16759/70260748-16759807.pdf?src-supplier=Allied+Electronics, ComponentLink10URL=https://datasheet.ciiva.com/16759/70260748-16759807.pdf?src-supplier=Allied+Electronics, Composition=ThickFilm, Construction=Rectangular, Contact Plating=Tin, Datasheet URL=https://industrial.panasonic.com/cdbs/www-data/pdf/RDA0000/AOA0000C304.pdf, Datasheet Version=02/2017, Depth=0.8mm, Features="Automotive AEC-Q200", Height=0.45mm, Lead Free=LeadFree, Length=1.6mm, Manufacturer URL=http://www.panasonic.com/, Military Standard=Not, Mount=SurfaceMount, Mounting Technology=SurfaceMount, Number of Pins=2, Number of Terminations=2, Packaging=TapeandReel, Power Rating=100mW, Pricing 1="1=0,10000, 10=0,04000, 50=0,04000, 100=0,01700, 1000=0,00700, 5000=0,00500, 10000=0,00500 (USD)", Radiation Hardening=No, REACH SVHC=NoSVHC, RoHS=Yes, RoHS Compliant=Yes, RoHSCompliant=true, Series=ERJ, Size Code=0603, Stock 1=20455, Supplier 1=Mouser, Technology="THICK FILM", Termination=SMD/SMT, Tolerance=1%, Voltage Rating (DC)=75V, Width=0.031inch